# Altium PCB 主机.PcbDoc
Units mil, origin at the board's own origin, x right, y up, seen from the top; angles counter-clockwise.
Board outline 2995 x 1218 mil, 2 copper layers (Top Layer, Bottom Layer); 84 components, 59 nets, 281 pads, 68 vias.
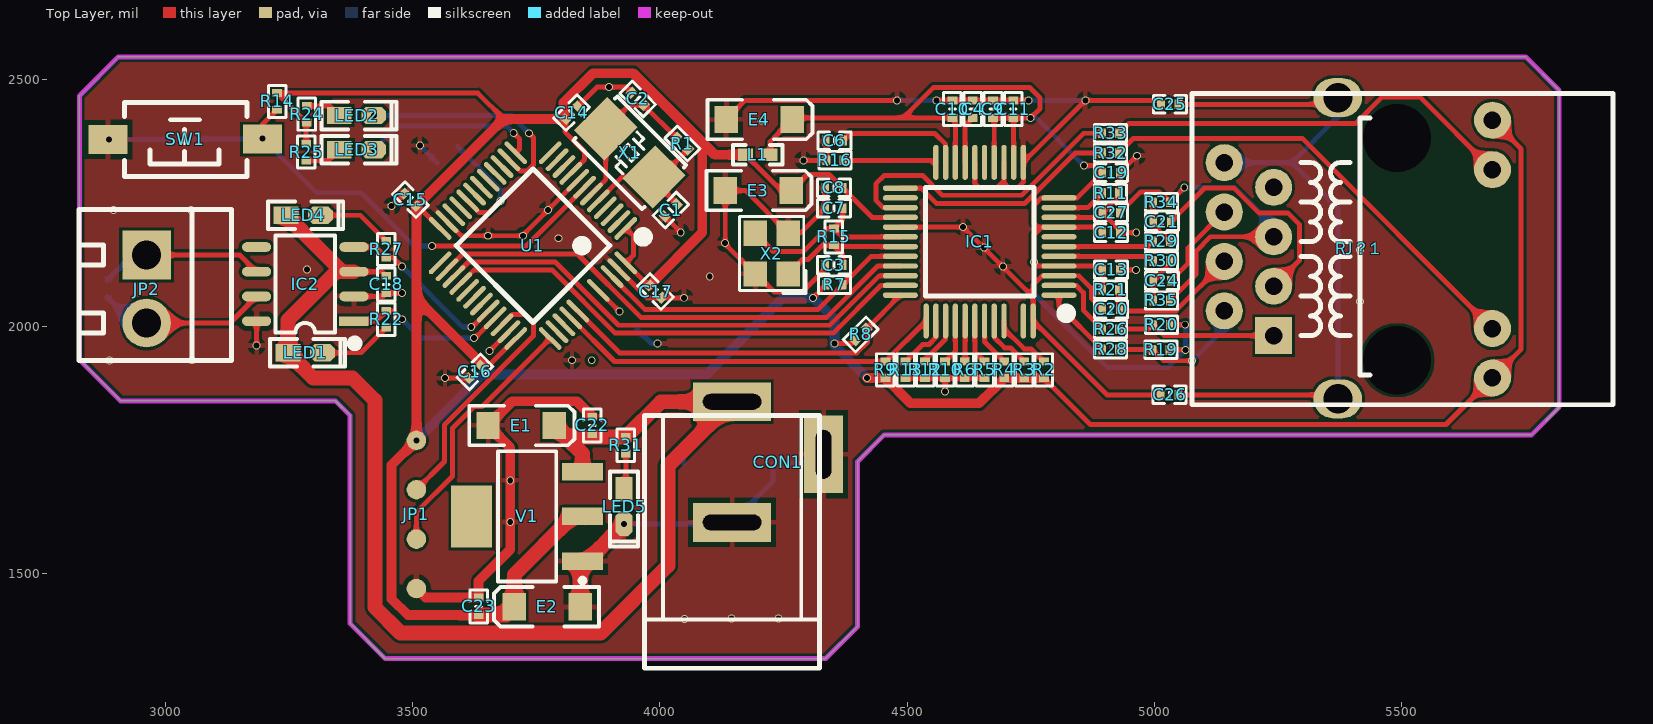
[diagram p0: Top Layer view]
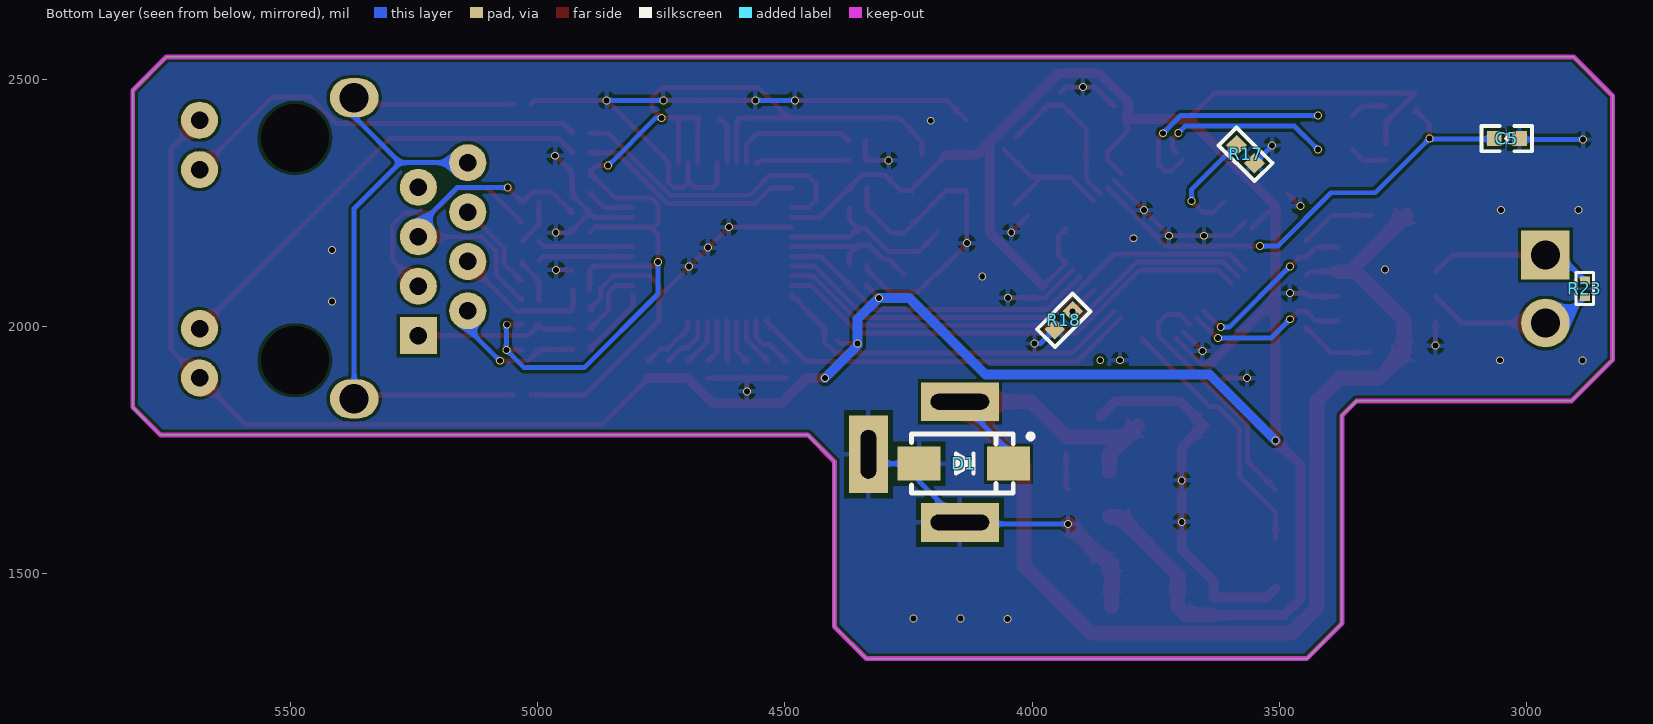
[diagram p1: Bottom Layer view, seen from below]

## Layer stack, top to bottom
Top Solder: solder mask 0.4, Solder Resist, Dk 3.5
Top Layer: signal copper 1.4
Dielectric 1: dielectric 12.6, FR-4, Dk 4.8
Bottom Layer: signal copper 1.4
Bottom Solder: solder mask 0.4, Solder Resist, Dk 3.5

## Board outline
3373,1398 3444,1327 4335,1327 4400,1392 4400,1726 4454,1780 5764,1780 5820,1836 5820,2477 5752,2545 5591,2545 2904,2545 2825,2466 2825,1932 2908,1849 3343,1849 3373,1819

## Design rules (kind name [scope] priority, off if disabled: settings)
Clearance [All] p1: gap=6 ignorepadtopadclearanceinfootprint=FALSE
PolygonConnect [All] p1: connectstyle=Relief reliefconductorwidth=10 reliefentries=4 polygonreliefangle="90 Angle" airgapwidth=10
RoutingVias [All] p1: holewidth=28 width=50 viastyle="Through Hole" minholewidth=28 minwidth=50 maxholewidth=28 maxwidth=50
SolderMaskExpansion [All] p1: expansion=4
Width [All] p1: maxlimit=100 minlimit=10 preferedwidth=10
30 further rules are at their usual default settings.

## Components (designator, comment, footprint, x,y, rotation, side; value= is the part's Value field where it differs from the comment)
C1 "22pF" "C 0402_L" 4022,2235 r45 top
C2 "22pF" "C 0402_L" 3955,2460 r315 top
C3 "18pF" "C 0402_L" 4352.04,2123.71 r0 top
C4 "4.7uF" "C 0402_L" 4633,2439.29 r90 top
C5 "104" "C 0603_L" 3039,2379.62 r0 bottom
C6 "10nF" "C 0402_L" 4353.04,2375.71 r180 top
C7 "18pF" "C 0402_L" 4352.04,2238.71 r0 top
C8 "100nF" "C 0402_L" 4352.04,2279.71 r0 top
C9 "100nF" "C 0402_L" 4674,2439.29 r90 top
C10 "100nF" "C 0402_L" 4592,2439.29 r90 top
C11 "100nF" "C 0402_L" 4715,2439.29 r90 top
C12 "100nF" "C 0402_L" 4913,2189.47 r0 top
C13 "100nF" "C 0402_L" 4913,2114.11 r0 top
C14 "104" "C 0402_L" 3821,2432 r225 top
C15 "104" "C 0402_L" 3495,2256 r315 top
C16 "104" "C 0402_L" 3625.47,1907.48 r45 top
C17 "104" "C 0402_L" 3991,2070 r135 top
C18 "22pF" "C 0402_L" 3446,2084.5 r90 top
C19 "100nF" "C 0402_L" 4913,2310.47 r0 top
C20 "22nF" "C 0402_L" 4913,2034 r180 top
C21 "6.8nF" "C 0402_L" 5015.96,2211 r180 top
C22 "104" "C 0402_L" 3863,1799 r270 top
C23 "104" "C 0402_L" 3633,1433 r270 top
C24 "6.8nF" "C 0402_L" 5015.96,2092 r180 top
C25 "100nF" "C 0402_L" 5032,2449 r0 top
C26 "100nF" "C 0402_L" 5031.29,1861 r0 top
C27 "10nF" "C 0402_L" 4913,2229.47 r180 top
CON1 "3.5*1.3" DC-005 4146,1603 r270 top
D1 "SS34" SMA 4138,1722 r180 bottom
E1 "10uF/16V" "CD A(3216)" 3719,1799 r180 top
E2 "10uF/16V" "CD A(3216)" 3772,1432 r0 top
E3 "10uF/16V" "CD A(3216)" 4199.07,2274.53 r180 top
E4 "10uF/16V" "CD A(3216)" 4201,2418.29 r180 top
IC1 "W5500" LQFP48-7*7 4647,2171 r90 top
IC2 "TJA1050" SOP8_L 3282,2085.21 r180 top
JP1 "下载接口" 下载接口 3507,1469 r90 top
JP2 "HDR-1X2" KF350-2P 2961,2075.21 r270 top
L1 "120" "L 0402" 4198,2347 r0 top
LED1 "绿色" "LED 0603G" 3282,1946 r0 top
LED2 "蓝色" "LED 0603B" 3386,2426 r0 top
LED3 "蓝色" "LED 0603B" 3386,2357 r0 top
LED4 "绿色" "LED 0603G" 3278,2224.21 r0 top
LED5 "红色" "LED 0603R" 3927,1635 r270 top
R1 "10M" "R 0402_L" 4046,2369 r135 top
R2 "10K" "R 0402_L" 4777,1912.71 r270 top
R3 "10K" "R 0402_L" 4737,1912.71 r270 top
R4 "10K" "R 0402_L" 4697,1912.71 r270 top
R5 "10K" "R 0402_L" 4657,1912.71 r270 top
R6 "10K" "R 0402_L" 4617,1912.71 r270 top
R7 "10K" "R 0402_L" 4354,2083.71 r180 top
R8 "10K" "R 0402_L" 4407,1984 r225 top
R9 "10K" "R 0402_L" 4456.29,1912.71 r270 top
R10 "10K" "R 0402_L" 4577,1912.71 r270 top
R11 "12.4K 1%" "R 0402_L" 4913,2269.47 r180 top
R12 "10K" "R 0402_L" 4536.55,1912.71 r270 top
R13 "10K" "R 0402_L" 4497,1912.71 r270 top
R14 "1K" "R 0402_L" 3225,2454 r90 top
R15 "1M" "R 0402_L" 4352,2181.71 r270 top
R16 "10K" "R 0402_L" 4353.04,2335.72 r0 top
R17 "10K" "R 0603_L" 3567.9,2347.9 r225 bottom
R18 "10K" "R 0603_L" 3935.85,2011.9 r315 bottom
R19 "49R9 1%" "R 0402_L" 5013,1952 r0 top
R20 "49R9 1%" "R 0402_L" 5014,2003 r0 top
R21 "10 1%" "R 0402_L" 4913,2074 r180 top
R22 "1K" "R 0402_L" 3446,2014.97 r270 top
R23 "120R" "R 0402_L" 2881,2075 r90 bottom
R24 "1K" "R 0402_L" 3285,2430 r270 top
R25 "1K" "R 0402_L" 3284,2351.29 r90 top
R26 "0R" "R 0402_L" 4913,1994 r180 top
R27 "1K" "R 0402_L" 3446,2154.5 r90 top
R28 "0R" "R 0402_L" 4913,1953 r180 top
R29 "0R" "R 0402_L" 5015.96,2172 r180 top
R30 "0R" "R 0402_L" 5015.96,2132 r180 top
R31 "10K" "R 0402_L" 3931,1760 r270 top
R32 "330" "R 0402_L" 4913,2350.47 r180 top
R33 "330" "R 0402_L" 4913,2390.47 r180 top
R34 "82 1%" "R 0402_L" 5015.96,2251 r180 top
R35 "82 1%" "R 0402_L" 5014,2052 r0 top
RJ？1 "HR911105A" RJ-45A12 5492,2156 r90 top
SW1 "3x6x5" "TSW SMD-3*6*2.5" 3037.97,2377.83 r180 top
U1 "STM32F103C8" "LQFP48 7X7_L" 3743,2163 r135 top
V1 "AMS1117-3V3" SOT223_L 3731,1615 r180 top
X1 "8MHz" "OSC 5032-2P" 3939,2350.9 r135 top
X2 "25M" "OSC 3225-4P" 4226,2147 r90 top

## Footprints (in the part's own frame and the unit in brackets; to place one, negate y for a bottom-side part, rotate by r counter-clockwise, add the part's x,y. Pads: shape width x height; smd on the part's side, far side on the other; paste and mask are expansions set on the pad)
"C 0402_L" [mm] "无极性贴片电容         淘宝ID:黄晶宝石"
  rect 0.4x0.5 smd: 1(-0.45,0) 2(0.45,0)
  silkscreen extent -0.85,-0.45 0.85,0.45, body extent -0.5,-0.26 0.5,0.26, height 0.53
"C 0603_L" [mil] "无极性贴片电容                                       淘宝ID:黄晶宝石"
  rect 30x30 smd: 1(-25.59,0) 2(25.59,0)
  silkscreen extent -51,-26 51,26, body extent -31,-16 31,16, height 32
"CD A(3216)" [mm] "长3.2mm，宽1.6mm，厚1.6mm      淘宝ID:黄晶宝石"
  rect 1.2x1.4 smd: 1(-1.7,0) 2(1.7,0)
  silkscreen extent -2.74,-1.02 2.67,1.02, body extent -1.6,-0.8 1.6,0.8, height 1.6
DC-005 [mm] "5.5*2.1mm，DC30V,2.5A      淘宝ID:黄晶宝石"
  rect 2x4 hole 0.8 slot 3 at 90 deg: 1(-6.2,0) 2(0,0)
  rect 4x2 hole 0.8 slot 2.5 at 0 deg: 3(-3.5,4.7)
  silkscreen extent -5.48,-4.5 7.5,4.5, body extent -6.55,-4.5 7.5,4.8, height 11.2
KF350-2P [mm] "可拼接端子/10A"
  rect 2.5x2.5 hole 1.5: 1(-1.75,0)
  round 2.5 hole 1.5: 2(1.75,0)
  silkscreen extent -4.09,-3.48 3.69,4.37, body extent -3.9,-3.3 3.5,4.2, height 10
"L 0402" [mil] "小功率贴片电感        淘宝ID:黄晶宝石"
  rect 30x25 smd: 1(-25,0) 2(25,0)
  silkscreen extent -50,-20 50,20, body extent -20,-10 20,10, height 20
"LED 0603B" [mil] "蓝色0603LED"
  rect 50x35 smd: 1(-35,0.26)
  oct 50x35 smd: 2(35,0.26)
  silkscreen extent -71,-28 81,28, body extent -31,-16 32,16, height 24
"LED 0603G" [mil] "绿色0603LED"
  rect 50x35 smd: 1(-35,0.26)
  oct 50x35 smd: 2(35,0.26)
  silkscreen extent -71,-28 81,28, body extent -31,-16 32,16, height 24
"LED 0603R" [mil] "红色0603LED"
  rect 50x35 smd: 1(-35,0.26)
  oct 50x35 smd: 2(35,0.26)
  silkscreen extent -71,-28 81,28, body extent -31,-16 32,16, height 24
"LQFP48 7X7_L" [mm] "48脚，体宽7x7mm，脚距0.5mm     淘宝ID:黄晶宝石"
  oval 0.25x1.55 smd: 1(-2.75,-4) 2(-2.25,-4) 3(-1.75,-4) 4(-1.25,-4) 5(-0.75,-4) 6(-0.25,-4) 7(0.25,-4) 8(0.75,-4) 9(1.25,-4) 10(1.75,-4) 11(2.25,-4) 12(2.75,-4) 25(2.75,4) 26(2.25,4) 27(1.75,4) 28(1.25,4) 29(0.75,4) 30(0.25,4) 31(-0.25,4) 32(-0.75,4) 33(-1.25,4) 34(-1.75,4) 35(-2.25,4) 36(-2.75,4)
  oval 1.55x0.25 smd: 13(4,-2.75) 14(4,-2.25) 15(4,-1.75) 16(4,-1.25) 17(4,-0.75) 18(4,-0.25) 19(4,0.25) 20(4,0.75) 21(4,1.25) 22(4,1.75) 23(4,2.25) 24(4,2.75) 37(-4,2.75) 38(-4,2.25) 39(-4,1.75) 40(-4,1.25) 41(-4,0.75) 44(-4,-0.75) 46(-4,-1.75) 47(-4,-2.25) 48(-4,-2.75)
  silkscreen extent -3.93,-4.57 2.79,2.79, body extent -4.5,-4.5 4.5,4.5, height 1.45
LQFP48-7*7 [mm] "7x7mm，0.5mm        淘宝ID:黄晶宝石"
  oval 0.279x1.8 smd: 1(-2.75,-4.075) 2(-2.25,-4.075) 3(-1.75,-4.075) 4(-1.25,-4.075) 5(-0.75,-4.075) 6(-0.25,-4.075) 7(0.25,-4.075) 8(0.75,-4.075) 9(1.25,-4.075) 10(1.75,-4.075) 11(2.25,-4.075) 25(2.75,4.075) 26(2.25,4.075) 27(1.75,4.075) 28(1.25,4.075) 29(0.75,4.075) 30(0.25,4.075) 31(-0.25,4.075) 32(-0.75,4.075) 33(-1.25,4.075) 34(-1.75,4.075) 35(-2.25,4.075) 36(-2.75,4.075)
  oval 1.8x0.279 smd: 14(4.075,-2.25) 15(4.075,-1.75) 16(4.075,-1.25) 17(4.075,-0.75) 18(4.075,-0.25) 19(4.075,0.25) 20(4.075,0.75) 21(4.075,1.25) 22(4.075,1.75) 23(4.075,2.25) 37(-4.075,2.75) 38(-4.075,2.25) 39(-4.075,1.75) 40(-4.075,1.25) 41(-4.075,0.75) 42(-4.075,0.25) 43(-4.075,-0.25) 44(-4.075,-0.75) 45(-4.075,-1.25) 47(-4.075,-2.25) 48(-4.075,-2.75)
  silkscreen extent -3.93,-4.69 2.79,2.79, body extent -4.5,-4.5 4.5,4.5, height 1.45
"OSC 3225-4P" [mm] "3.2*2.5*0.7mm(长宽高)                         淘宝ID:黄晶宝石"
  rect 1.3x1.2 smd: 1(-1.05,-0.85) 2(1.05,-0.85) 3(1.05,0.85) 4(-1.05,0.85)
  silkscreen extent -2.03,-1.75 1.91,1.65, body extent -1.6,-1.25 1.6,1.25, height 0.7
"OSC 5032-2P" [mm] "5mm*3.2mm*0.8mm(长*宽*高)                  淘宝ID:黄晶宝石"
  rect 2.2x2.4 smd: 1(-1.75,0) 2(1.75,0)
  silkscreen extent -2.5,-1.6 2.5,1.6, body extent -2.5,-1.6 2.5,1.6, height 0.86
"R 0402_L" [mm] "1/16W贴片电阻     淘宝ID:黄晶宝石"
  rect 0.4x0.5 smd: 1(-0.4,0) 2(0.45,0)
  silkscreen extent -0.8,-0.45 0.85,0.45, body extent -0.5,-0.25 0.5,0.25, height 0.3
"R 0603_L" [mil] "1/10W贴片电阻                 淘宝ID:黄晶宝石"
  rect 30x30 smd: 1(-25.59,0) 2(25.59,0)
  silkscreen extent -51,-26 51,26, body extent -31,-16 31,16, height 16
RJ-45A12 [mm] "网线接口"
  oval 2x2.5 hole 1.5: 0(-7.695,3.05) 0(7.785,3.05)
  round 3.302 hole 3.5: 0(-5.715,0) 0(5.715,0)
  rect 1.905x1.905 hole 0.9: 1(-4.445,6.35)
  round 1.905 hole 0.9: 2(-3.175,8.89) 3(-1.905,6.35) 4(-0.635,8.89) 5(0.635,6.35) 6(1.905,8.89) 7(3.175,6.35) 8(4.445,8.89) 9(-6.625,-4.9) 10(-4.085,-4.9) 11(4.085,-4.9) 12(6.625,-4.9)
  silkscreen extent -8,-11.1 8,10.54, body extent -7.97,-10.93 7.91,10.47, height 1.5
SMA [mm] "4.5x2.6*2.2mm（长宽高，不包括引脚）"
  rect 2.2x1.75 smd: 1(-2.3,0) 2(2.3,0)
  silkscreen extent -2.7,-1.52 3.56,1.52, body extent -2.52,-1.3 2.57,1.3, height 2.15
SOP8_L [mm] "5*6*1.8mm（长宽高）封装库来自淘宝卖家 ID：黄晶宝石"
  rect 1.5x0.5 smd: 1(-2.5,1.905)
  oval 1.5x0.5 smd: 2(-2.5,0.635) 3(-2.5,-0.635) 4(-2.5,-1.905) 5(2.5,-1.905) 6(2.5,-0.635) 7(2.5,0.635) 8(2.5,1.905)
  silkscreen extent -2.69,-2.5 1.52,3.2, body extent -3,-2.5 3,2.5, height 1.9
SOT223_L [mm] "SOT223, 4-Leads, Body 6.5x3.5mm, Pitch 2.3mm, Lead Span 7mm, IPC High Density"
  rect 2.1x0.9 smd: 1(-2.85,2.3) 2(-2.85,0) 3(-2.85,-2.3)
  rect 2.1x3.2 smd: 4(2.85,0)
  silkscreen extent -2.98,-3.35 1.5,3.42, body extent -1.85,-3.35 1.85,3.35, height 1.7
"TSW SMD-3*6*2.5" [mm] "3*6*2.5mm"
  rect 2x1.5 smd: 1(-3.996,-0.02) 2(3.937,0)
  silkscreen extent -3.21,-1.9 3.09,1.9, body extent -4,-1.88 4,1.62, height 2.59
下载接口 [mm] "Jlink下载接口"
  round 1 smd: 1(0,0) 1(0,0) 2(2.54,0) 3(5.08,0) 4(7.62,0)

## Part data
C1 C2 C3 C4 C5 C6 C7 C8 C9 C10 C11 C12 C13 C14 C15 C16 C17 C18 C19 C20 C21 C22 C23 C24 C25 C26 C27: library part C, "贴片电容"
CON1: library part P-DC, "低压电源接口"
D1: library part SS54, "肖特基二极管"
E1 E2 E3 E4: library part CT, "贴片钽电容"
IC1: "网口芯片"
IC2: "CAN总线收发芯片"
JP1: "Jlink下载接口"
JP2: library part "Header 2", "2P接插件"
L1: library part L, "小功率贴片电感"
LED1 LED2 LED3 LED4 LED5: library part LED-SMD, "贴片LED", BOM名称=贴片, 学习资源=https://shop463601444.taobao., 版权归属=封装库来自淘
R1 R2 R3 R4 R5 R6 R7 R8 R9 R10 R11 R12 R13 R14 R15 R16 R17 R18 R19 R20 R21 R22 R23 R24 R25 R26 R27 R28 R29 R30 R31 R32 R33 R34 R35: library part R, "贴片电阻"
RJ？1: "带灯以太网接口"
SW1: library part "TSW 3x6", "3x6轻触开关", BOM名称=3x6Çá´, 学习资源=www.ooocke.
U1: "Flaah:64/RAM:20/IO:36"
V1: library part AMS1117, "三端稳压芯片", BOM名称=ÎÈÑ, 欢迎光临淘宝店铺=https://shop463601444.tao, 淘宝ID=封装库来自淘宝
X1: library part XTAL-2P, "2脚无源脚晶振"
X2: library part XTAL-4P, "4脚无源晶振"

## Via types
v1: diameter 16, hole 12, Top Layer to Bottom Layer, tented both sides, 68 vias

## Nets (pads, with @x,y where several pads share a name; then routed paths per layer and width w, separated by ;. In a path a pad name is that pad's centre, name@x,y a point inside that pad or via, vN(x,y) a via of type N, cw(c..) or ccw(c..) an arc to the next point about the centre after c; other vN are vias at no path point)
3.3V: C8.2 C14.2 C15.2 C16.2 C17.2 C23.2 E2.1 E3.1 IC1.28 JP1.4 L1.1 R2.2 R3.2 R4.2 R7.2 R8.2 R9.2 R14.2 R24.2 R25.2 RJ？1.9 RJ？1.12 U1.1 U1.9 U1.24 U1.36 U1.48 V1.2 | length 7339.3
  Top Layer w10: R25.2 3284,2411.29 R24.2 3284.43,2412.29 R14.2 3631.29,2471.71 3683.53,2419.48 ; C15.2 3509.41,2243.47 U1.24 ; C16.2@3640.5,1922.5 3655.61,1922.5 U1.36 ; C14.2 3808.47,2392.53 3847.38,2353.62 3847.38,2336.98 U1.9 ; U1.1 3946,2182.69 3946,2143.31 U1.48 3976.59,2082.53 C17.2 ; L1.1 4245.47,2274.53 E3.1 4298.47,2307 4342.46,2307 C8.2 4429.25,2220.21 IC1.28 ; v1(4310,2057.43) R7.2 ; v1(4353,1965) 4388,1965 R8.2 ; R2.2 4871,1801 5590.74,1801 RJ？1.9 5743,1953.26 5743,2358.73 RJ？1.12
  Top Layer w20: JP1.4 3457,1719 3457,1448 3489.71,1415.29 C23.2 ; v1(3507.52,1769) 3507.52,2055.48 ; C16.2@3640.5,1922.5 3507.52,2055.48 ; C17.2 4085.67,2189.72 4085.67,2372.33 ; L1.1 4111,2347 4085.67,2372.33 ; v1(4419,1895) R9.2 4507.28,1844 4646,1844 4673.13,1871.13 4673.47,1871.13 4682.84,1880.5 4682.84,1880.84 R4.2 R3.2 R2.2 ; 3507.52,2055.48 C15.2 3683.53,2419.48 C14.2 3805,2422.95 3805,2452.55 3864.45,2512 3946,2512 4085.67,2372.33
  Top Layer w30: C23.2 3688.36,1415.29 E2.1 3705.07,1497.07 3823,1615 V1.2
  Bottom Layer w20: v1(3507.52,1769) 3640.99,1902.46 4094.02,1902.46 4248.98,2057.43 v1(4310,2057.43) 4353,2014.43 v1(4353,1965) 4353,1961 v1(4419,1895)
3.3V-A: C9.1 C10.1 C11.1 C12.1 C13.1 C19.1 E4.1 IC1.4 IC1.8 IC1.11 IC1.15 IC1.17 IC1.21 L1.2 R19.2 R20.2 R21.2 | length 2525.7
  Top Layer w10: L1.2 4223,2373.36 E4.1@4266.46,2419.66 ; E4.1 4271.21,2421.57 4492.28,2421.57 ; IC1.21 4597.79,2415.78 C10.1 4492.28,2421.57 ; IC1.17 4676.53,2419.04 C9.1 4714.79,2421.57 4715.9,2420.46 IC1.15 ; C11.1 v1(4750.28,2421.57) 4769,2440.29 4769,2462.29 4748,2483.29 4554,2483.29 4492.28,2421.57 ; v1(4858,2325) 4880.76,2325 C19.1 4844.39,2259.58 IC1.11 4771.91,2259.58 4757,2244.68 4757,2208 4764,2201 4806.98,2201 IC1.8 ; R21.2 C13.1 4887.61,2121.79 IC1.4 4765.21,2121.79 v1(4757,2130) 4757,2185 4772.53,2200.53 IC1.8 ; C12.1 4884.23,2200.53 IC1.8 ; R19.2 v1(5064,1952) ; R20.2 v1(5063,2003)
  Bottom Layer w10: v1(4750.28,2421.57) 4761.43,2421.57 v1(4858,2325) ; v1(4757,2130) 4757,2065 4906,1916 5028,1916 v1(5064,1952) 5064,2002 v1(5063,2003)
5V: C18.2 C22.2 CON1.1 D1.2 E1.1 IC2.3 LED1.1 LED4.1 R31.1 V1.3 | length 2811.5
  Top Layer w10: IC2.3 3438,2110.21 C18.2
  Top Layer w30: LED4.1 IC2.3@3357.26,2110.21 ; IC2.3 IC2.3@3357.26,2110.21 ; E1.1 E1.1@3809.18,1775.75 ; V1.3 3843.2,1741.72 E1.1@3809.18,1775.75 ; IC2.3@3357.26,2110.21 3345.21,2110.21 3247,2012 LED1.1 3298.26,1895 3378,1895 3423,1850 3423,1431 3475,1379 3880,1379 4016,1515 4016,1717.09 CON1.1 4002.34,1847.09 R31.1 E1.1@3809.18,1775.75
  Bottom Layer w10: D1.2 4047.45,1748.54 CON1.1
ACTLED: IC1.27 R33.2 | length 622.9
  Top Layer w10: IC1.27 4451.69,2239.9 4437,2254.58 4437,2288 4454,2305 4531.6,2305 4571.6,2265 4732,2265 4857.48,2390.48 R33.2
BOOT0: R18.1 U1.44 | length 60.2
  Top Layer w10: U1.44 v1(3917.76,2030)
BOOT1: R17.1 U1.20 | length 232.5
  Top Layer w10: U1.20 3634.24,2230 3654,2230 v1(3677,2253)
  Bottom Layer w10: R17.1@3590,2364 3677,2277 v1(3677,2253)
GND: C1.1 C2.1 C3.1 C4.2 C5.1 C6.2 C7.1 C8.1 C9.2 C10.2 C11.2 C12.2 C13.2 C14.1 C15.1 C16.1 C17.1 C18.1 C19.2 C20.2 C22.1 C23.1 C25.1 C26.1 C27.2 CON1.2 CON1.3 D1.1 E1.2 E2.2 E3.2 E4.2 IC1.3 IC1.9 IC1.14 IC1.16 IC1.19 IC1.29 IC1.48 IC2.2 IC2.8 JP1.1 LED5.2 R5.2 R6.2 R10.2 R11.1 R12.2 R13.2 R16.1 R17.2 R18.2 SW1.2 U1.8 U1.23 U1.35 U1.47 V1.1 X2.2 X2.4 | length 6262.4
  Top Layer w10: v1(3183.57,1960.57) IC2.8 ; IC2.2 3439.43,2060.21 C18.1 v1(3478.22,2066.78) ; v1(3457,2243.05) C15.1 ; v1(3564.95,1894.95) C16.1 ; U1.23 3597.73,2183 v1(3723,2183) 3721.24,2183 U1.8 ; v1(3655.27,1950) U1.35 ; C14.1 3873,2484 v1(3897,2484) 3931,2484 C2.1 ; U1.47 3973.8,2057.47 C17.1 v1(4049,2057.47) ; C1.1 v1(4042,2189.95) ; E4.2 4172.78,2457 v1(4480,2457) ; CON1.2@4143,1600 CON1.2 ; v1(4290.18,2335.71) R16.1 4337.29,2373.75 C6.2 ; C3.1 4334.32,2115.75 4287.64,2069.07 4231.29,2069.07 4194.7,2105.66 X2.4 4132.14,2166.05 E3.2 4173.28,2274.53 X2.2 4283.95,2188.34 C7.1 C8.1 ; IC1.29 v1(4613.47,2200.53) 4755.27,2058.73 ; R13.2 R12.2 R10.2 ; v1(4560,2457) C10.2 C4.2 C9.2 C11.2 v1(4746,2457) ; v1(4577,1868) R10.2 ; IC1.19 4637.16,2288.84 4645,2281 4683,2281 4696.21,2294.21 ; R5.2 R6.2 R10.2 ; IC1.16 4696.21,2294.21 ; IC1.9 4886.02,2220.21 C27.2 ; C20.2 4873,2056.29 4873,2077 4847.9,2102.1 IC1.3 4773.87,2102.1 4755.27,2083.5 4755.27,2058.73 ; C13.2 v1(4963.11,2114.11) ; v1(4964,2189.47) C12.2 4930.71,2194.05 C27.2 ; v1(4965.24,2345) C19.2 4930.71,2271.44 R11.1 4928.75,2262.94 C27.2 ; C26.1 4904.82,1861 IC1.48 4755.27,2058.73 ; C25.1 5006.28,2457 v1(4861.13,2457) IC1.14 4735.58,2291.58 4725,2281 4705,2281 4696.21,2289.79 4696.21,2294.21
  Top Layer w20: JP1.1@3507,1469 3525.28,1450.72 C23.1 3633,1484 3697,1548 3697,1754.07 E1.2 3701.07,1848 3831.72,1848 C22.1
  Top Layer w30: E2.2 3838.93,1520.17 3847.44,1520.17 v1(3927.26,1600)
  Bottom Layer w10: v1(2884.69,2377.83) 3019.5,2377.83 C5.1@3021.28,2379.62 ; v1(3514,2365.62) R17.2 ; v1(3927.26,1600) 4143,1600 CON1.2 4228.55,1685.55 D1.1 4312.24,1722 CON1.3 CON1.3@4331.04,1812.04 ; R18.2 3982.76,1965 v1(3995,1965) ; v1(4480,2457) v1(4560,2457) ; v1(4746,2457) v1(4861.13,2457)
  other v1: 4050,1407 4145,1408 4240.18,1408.36 3697,1604 3697,1688 2886,1930.44 3053,1931 3822,1931 5417,2049.77 4100.74,2100.37 3286,2115 4694,2121 5417,2154 4656,2159 4132,2168 3795,2178 3652,2183 2894,2235 3051,2235 3773,2235 4205,2415.78
LINKLED: IC1.25 R32.2 | length 464.1
  Top Layer w10: IC1.25 4528.73,2279.27 4560,2248 4737.7,2248 4840.17,2350.48 R32.2
NetC3_2: C3.2 IC1.31 R15.2 X2.1 | length 296.1
  Top Layer w10: X2.1 4288.8,2135 4300,2135 4329,2164 R15.2 R15.2@4354.84,2161.16 ; C3.2 4369.75,2146.25 R15.2@4354.84,2161.16 ; IC1.31 R15.2@4354.84,2161.16
NetC4_1: C4.1 IC1.20 | length 96.6
  Top Layer w10: IC1.20 4617.47,2406.05 C4.1
NetC6_1: C6.1 IC1.22 | length 258.9
  Top Layer w10: C6.1 4385.04,2390 4556,2390 4578.1,2367.9 IC1.22
NetC7_2: C7.2 IC1.30 R15.1 X2.3 | length 384.2
  Top Layer w10: X2.3 4229.87,2151 4290,2151 4336.46,2197.46 R15.1 ; C7.2 4369.75,2215.22 R15.1 ; IC1.30 4368.62,2180.84 R15.1
NetC20_1: C20.1 R21.1 RJ？1.4 | length 297.5
  Top Layer w10: R21.1 4928.75,2035.97 C20.1 4930.72,2031.15 5044.14,2031.15 5142,2129.01 RJ？1.4
NetC21_1: C21.1 RJ？1.3 | length 465.7
  Top Layer w10: C21.1 5102.18,2279.5 5162.09,2279.5 5212.12,2229.47 5221.88,2229.47 ; 5221.91,2229.5 5270.5,2229.5 5294,2206 5294,2133 RJ？1.3
NetC21_2: C21.2 R29.1 R34.2 | length 92.9
  Top Layer w10: R34.2 C21.2 4998.25,2205.47 R29.1
NetC24_1: C24.1 RJ？1.6 | length 184.2
  Top Layer w10: C24.1 5069,2127.32 5069,2158.63 5141.37,2231 RJ？1.6
NetC24_2: C24.2 R30.1 R35.1 | length 93.9
  Top Layer w10: R35.1 C24.2 5031.71,2125.47 R30.1
NetC25_2: C25.2 C26.2 RJ？1.0@5371.92,1853.04 RJ？1.0@5371.92,2462.49 RJ？1.8 | length 1477.4
  Top Layer w10: C26.2 5363.96,1861 RJ？1.0@5371.92,1853.04 ; C25.2 5358.43,2449 RJ？1.0@5371.92,2462.49
  Bottom Layer w10: RJ？1.8 5279,2331 ; RJ？1.0@5371.92,1853.04 5371.92,2238.08 5279,2331 ; RJ？1.0@5371.92,2462.49 5371.92,2423.92 5279,2331
NetC27_1: C27.1 R34.1 R35.2 RJ？1.5 | length 694.2
  Top Layer w10: C27.1 4973.24,2272 5010.72,2272 R34.1 v1(5061,2280.29) ; R35.2 5085,2105.28 5085,2152 5114,2181 RJ？1.5
  Bottom Layer w10: v1(5061,2280.29) 5163.71,2280.29 5242,2202 RJ？1.5
NetIC1_10: IC1.10 R11.2 | length 100.1
  Top Layer w10: IC1.10 4865.71,2239.9 R11.2
NetIC1_23: IC1.23 R16.2 | length 191.7
  Top Layer w10: R16.2 4548.68,2335.71 4555.68,2328.71 IC1.23
NetIC1_38: IC1.38 R13.1 | length 115.1
  Top Layer w10: R13.1 4531.54,1963 4544.45,1963 4558.42,1976.97 IC1.38
NetIC1_39: IC1.39 R12.1 | length 99.3
  Top Layer w10: R12.1 4536.55,1932.48 4578.1,1974.03 IC1.39
NetIC1_40: IC1.40 R10.1 | length 90.7
  Top Layer w10: R10.1 4597.79,1949.25 IC1.40
NetIC1_41: IC1.41 R6.1 | length 82.3
  Top Layer w10: R6.1 4617.47,1928.94 IC1.41
NetIC1_42: IC1.42 R5.1 | length 90.3
  Top Layer w10: IC1.42 4637.16,1948.31 R5.1
NetIC1_43: IC1.43 R4.1 | length 98.7
  Top Layer w10: IC1.43 4656.84,1968.62 R4.1
NetIC1_44: IC1.44 R3.1 | length 114.1
  Top Layer w10: IC1.44 4676.53,1976.97 4697.5,1956 4709.46,1956 R3.1
NetIC1_45: IC1.45 R2.1 | length 124
  Top Layer w10: IC1.45 4696.21,1994.79 4737,1954 4751.46,1954 R2.1
NetIC2_6: IC2.6 JP2.1 R23.2 | length 337.9
  Top Layer w10: JP2.1 3149.68,2144.11 IC2.6
  Bottom Layer w10: R23.2 2932.39,2144.11 JP2.1
NetIC2_7: IC2.7 JP2.2 R23.1 | length 346.8
  Top Layer w10: JP2.2 3129.68,2006.32 IC2.7
  Bottom Layer w10: R23.1 2933.93,2006.32 JP2.2
NetLED1_2: LED1.2 R22.2 | length 150.1
  Top Layer w10: LED1.2 3394.99,1946.26 R22.2
NetLED2_1: LED2.1 R24.1 | length 74.1
  Top Layer w10: R24.1 3331.51,2445.75 LED2.1
NetLED3_1: LED3.1 R25.1 | length 76
  Top Layer w10: R25.1 3329.28,2335.54 LED3.1
NetLED4_2: LED4.2 R27.2 | length 154.6
  Top Layer w10: LED4.2 3393.74,2224.47 R27.2
NetLED5_1: LED5.1 R31.2 | length 73.8
  Top Layer w10: LED5.1 3931,1673.73 R31.2
NetR19_1: R19.1 R28.1 RJ？1.2 | length 285.7
  Top Layer w10: R28.1 4996.24,1953 R19.1 5019.25,1930 v1(5077,1930)
  Bottom Layer w10: v1(5077,1930) 5142,1995 RJ？1.2
NetR20_1: R20.1 R26.1 RJ？1.1 | length 326.1
  Top Layer w10: R26.1 4989.26,1994 R20.1 5020.25,1981 RJ？1.1
NetR32_1: R32.1 RJ？1.10 | length 927.8
  Top Layer w10: R32.1 4958.28,2380 5300.08,2380 RJ？1.10
NetR33_1: R33.1 RJ？1.11 | length 847.6
  Top Layer w10: R33.1 4948.28,2410 5407.71,2410 5461.71,2464 5537.73,2464 RJ？1.11
NRST: C5.2 R14.1 SW1.1 U1.7 | length 1001.3
  Top Layer w10: v1(3196,2379.62) 3196,2409.24 R14.1 ; v1(3539,2162) 3539.23,2162.23 3729.1,2162.23 3847.38,2280.51 U1.7
  Bottom Layer w10: C5.2@3056,2378.62 v1@3195.28,2378.62 ; v1(3196,2379.62) 3305.62,2270 3395,2270 3503,2162 v1(3539,2162)
PA3/Battery: LED3.2 U1.13 | length 356.9
  Top Layer w10: v1(3704,2391) 3716,2379 3716,2358.69 U1.13
  Bottom Layer w10: v1(3421,2357.26) 3468.75,2405 3690,2405 v1(3704,2391)
PA4/Run: LED2.2 U1.14 | length 460.8
  Top Layer w10: U1.14 3717.27,2314 3731.56,2314 3743.77,2326.21 3743.77,2381.7 v1(3735,2390.48)
  Bottom Layer w10: v1(3421,2426.26) 3699.22,2426.26 v1(3735,2390.48)
PA11/CAN_RX: IC2.4 R27.1 U1.32 | length 355.4
  Top Layer w10: IC2.4 3424.54,2160.21 R27.1 3460.25,2138.75 v1(3478,2121) ; v1(3618,1998) 3618,1996.24 U1.32
  Bottom Layer w10: v1(3478,2121) 3601,1998 v1(3618,1998)
PA12/CAN_TX: IC2.1 R22.1 U1.33 | length 338.4
  Top Layer w10: IC2.1 3425.48,2010.21 R22.1 3461.28,2030.72 v1(3478,2014) ; v1@3622.6,1973 v1@3624,1974.4 ; v1(3624,1976) v1@3624,1974.4 ; U1.33 v1@3624,1974.4
  Bottom Layer w10: v1(3478,2014) 3516,1976 v1(3624,1976)
PB4/RSTn: IC1.37 R9.1 U1.40 | length 789.8
  Top Layer w10: U1.40 3907.94,1928.46 R9.1 4538.37,2010.55 IC1.37
PB5/INTn: IC1.36 R8.1 U1.41 | length 754.7
  Top Layer w10: U1.41 3918.24,1946 4398.47,1946 4420.47,1968 4420.47,1991.35 R8.1@4417.82,1994 ; R8.1 4418.96,1995.14 IC1.36
PB9/SCSn: IC1.32 R7.1 U1.46 | length 655.5
  Top Layer w10: U1.46 3969.49,2033.95 4319.98,2033.95 R7.1 4427.51,2141.47 IC1.32
PB13/SCLK: IC1.33 U1.26 | length 1026.7
  Top Layer w10: U1.26 3600.73,2146 3833,2146 3961.05,2017.95 4337.26,2017.95 4441.1,2121.79 IC1.33
PB14/MISO: IC1.34 U1.27 | length 1010.4
  Top Layer w10: U1.27 3612.56,2130 3788,2130 3916.05,2001.95 4343.88,2001.95 4444.04,2102.1 IC1.34
PB15/MOSI: IC1.35 U1.28 | length 994.1
  Top Layer w10: U1.28 3624.4,2114 3781.37,2114 3909.43,1985.95 4350.51,1985.95 4446.98,2082.42 IC1.35
RXN: IC1.5 R30.2 | length 194.7
  Top Layer w10: IC1.5 4988.78,2141.47 R30.2
RXP: IC1.6 R29.2 | length 195.3
  Top Layer w10: IC1.6 4987.4,2161.16 R29.2
SWCLK: JP1.2 U1.37 | length 527.8
  Top Layer w10: JP1.2 3507,1623.09 3580,1696.09 3580,1793.67 3623.89,1837.56 3640.25,1837.56 U1.37
SWDIO: JP1.3 U1.34 | length 515.4
  Top Layer w10: JP1.3 3564,1726 3564,1800.29 3743.77,1980.06 3743.77,2007.23 3727,2024 3701.44,2024 U1.34
TXN: IC1.1 R28.2 | length 146.1
  Top Layer w10: IC1.1 4807.45,2040.84 R28.2
TXP: IC1.2 R26.2 | length 145.4
  Top Layer w10: IC1.2 4842.58,2082.42 4857,2068 4857,2032.29 R26.2
XTALA: C1.2 R1.1 U1.5 X1.1 | length 299.2
  Top Layer w10: U1.5 3923.94,2302.18 X1.1 ; C1.2 3987.72,2294.33 X1.1 ; R1.1 4001.46,2302.18 X1.1
XTALB: C2.2 R1.2 U1.6 X1.2 | length 334.6
  Top Layer w10: U1.6 3890.28,2296.36 X1.2 3938.14,2447.47 C2.2 R1.2
pads on no net: IC1.7 IC1.18 IC1.26 IC1.47 IC2.5 RJ？1.0@5492,1931 RJ？1.0@5492,2381 RJ？1.7 U1.2 U1.3 U1.4 U1.10 U1.11 U1.12 U1.15 U1.16 U1.17 U1.18 U1.19 U1.21 U1.22 U1.25 U1.29 U1.30 U1.31 U1.38 U1.39 V1.4
copper on no net:
  other v1: 3862,1931

## Polygon pours and split planes (outlines as drawn)
GND on Bottom Layer (solid, remove dead copper, pour order 10): 2637,2743 2686,2694 5976,2694 5976,1268 5782,1074 2442,1074
GND on Top Layer (solid, remove dead copper, pour order 8): 2684,2677 6009,2677 6109,2577 6109,1130 2796,1130 2635,1291

## Keep-outs
Keep-Out Layer:
  lines w10: 2825,1932 2825,2466 2904,2545 5591,2545 5752,2545 5820,2477 5820,1836 5764,1780 5683,1780 4454,1780 4400,1726 4400,1392 4335,1327 3444,1327 3373,1398 3373,1819 3343,1849 2908,1849 2825,1932